# KiCad board ciaa_acc.kicad_pcb (continued)
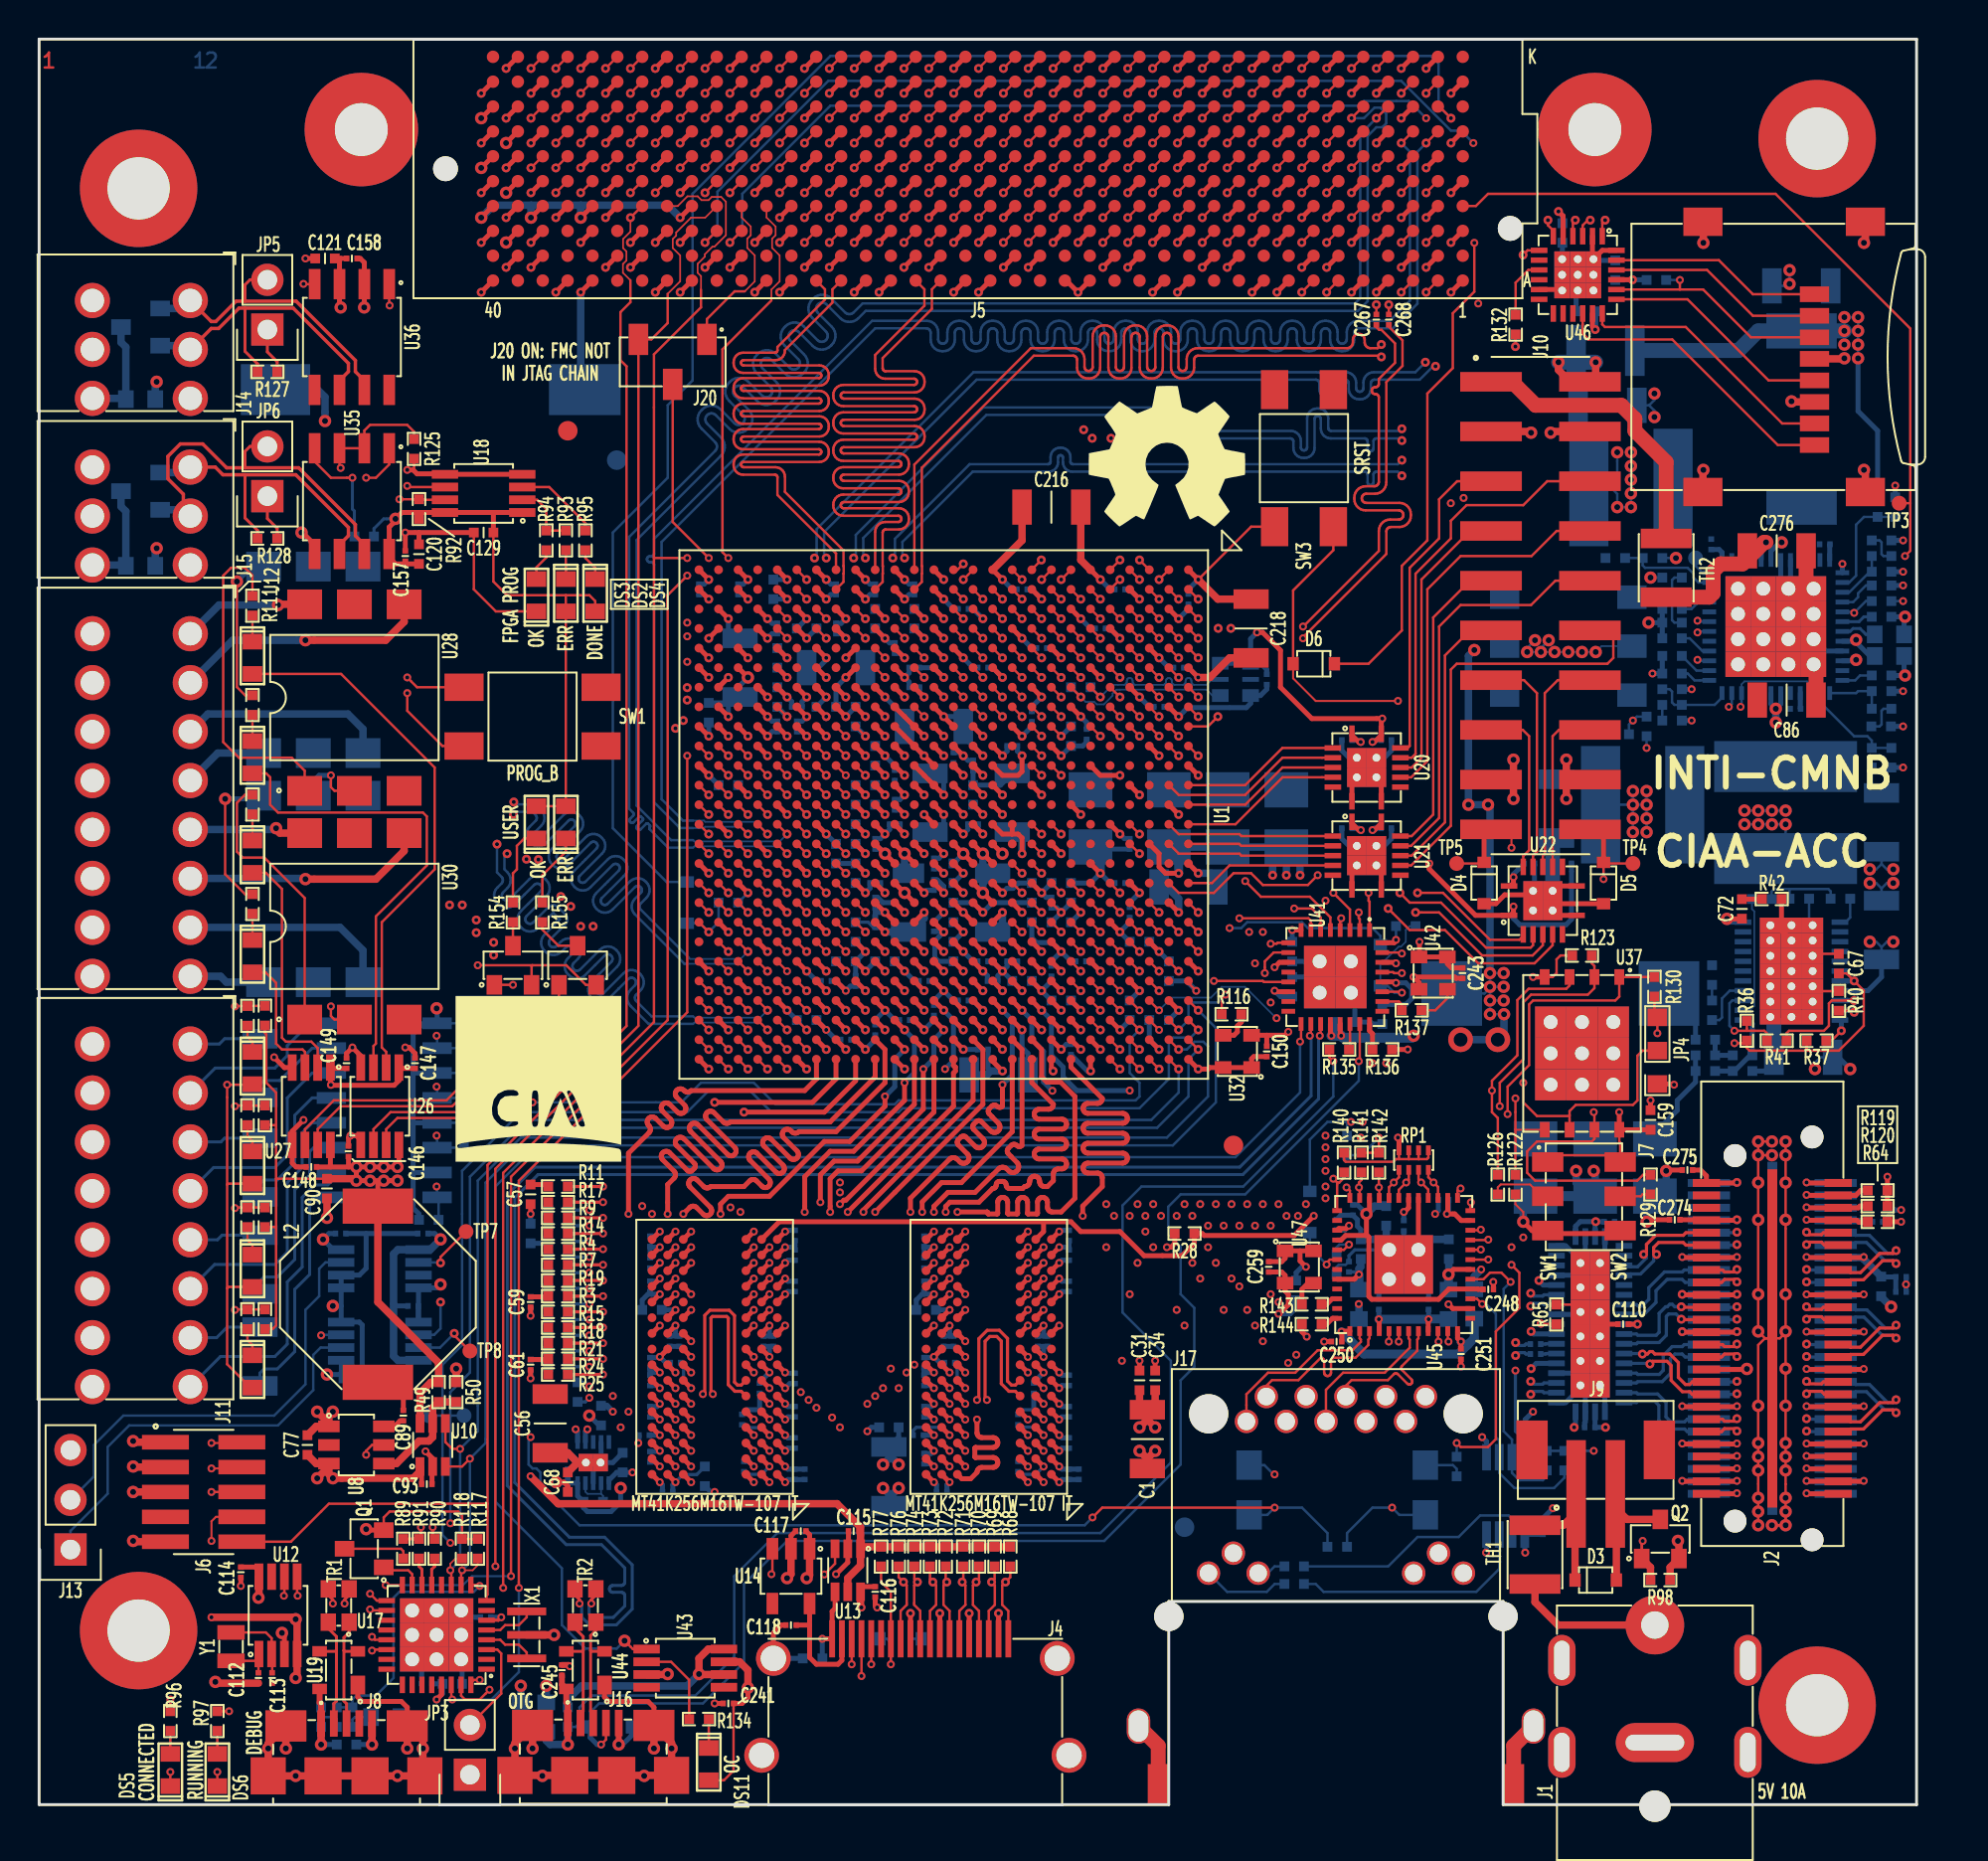
[diagram p0: board, top side]
## Routing (per net, layer and track width the routed paths; a pad name or vN(x,y) marks a point on that pad's centre or on a via; arc(x,y) is an arc through that point) (continued)
/Principal/BANK_502/DDR_A4: length 75.8
  TOP_L1.Sig w0.165: R7.2 v1(28.8,27.57)
  TOP_L1.Sig w0.254: U3.P8 v1(32.5,27.67) ; U2.P8 v1(46.5,27.67) ; U1.M20 v2(48.2,43.57)
  L3.Sig w0.165: 32.5,27.27 30.99,27.27 30.95,27.27 30.92,27.25 30.88,27.23 30.86,27.21 30.84,27.17 30.82,27.14 30.82,27.06 30.8,27.03 30.78,26.99 30.76,26.97 30.72,26.95 30.69,26.94 30.65,26.93 30.64,26.93 30.6,26.94 30.57,26.95 30.53,26.97 30.51,26.99 30.49,27.03 30.47,27.06 30.47,27.14 30.45,27.17 30.43,27.21 30.41,27.23 30.37,27.25 30.34,27.27 30.3,27.27 29.9,27.27 29.6,27.57 v1(28.8,27.57) ; 32.5,27.27 47,27.27 ; 32.5,27.27 v1(32.5,27.67) ; 47,27.27 46.5,27.27 v1(46.5,27.67) ; 47,27.27 54.1,27.27 54.14,27.28 54.19,27.29 54.22,27.31 54.26,27.35 54.28,27.38 54.29,27.43 54.3,27.47 54.3,27.56 54.31,27.61 54.32,27.65 54.34,27.69 54.38,27.72 54.41,27.74 54.46,27.76 54.5,27.76 54.54,27.76 54.59,27.74 54.62,27.72 54.66,27.69 54.68,27.65 54.69,27.61 54.7,27.56 54.7,26.98 54.71,26.93 54.72,26.89 54.74,26.85 54.78,26.82 54.81,26.8 54.86,26.78 54.9,26.78 54.94,26.78 54.99,26.8 55.02,26.82 55.06,26.85 55.08,26.89 55.09,26.93 55.1,26.98 55.1,27.56 55.11,27.61 55.12,27.65 55.14,27.69 55.18,27.72 55.21,27.74 55.26,27.76 55.3,27.76 55.34,27.76 55.39,27.74 55.42,27.72 55.46,27.69 55.48,27.65 55.49,27.61 55.5,27.56 55.5,27.47 55.51,27.43 55.52,27.38 55.54,27.35 55.58,27.31 55.61,27.29 55.66,27.28 55.7,27.27 v1(56.1,27.67) ; v1(56.1,30.67) 56.1,33.48 55.91,33.67 55.47,33.67 55.44,33.67 55.4,33.65 55.37,33.63 55.34,33.61 55.32,33.58 55.31,33.54 55.31,33.5 55.31,33.34 55.3,33.3 55.29,33.26 55.27,33.23 55.24,33.21 55.21,33.19 55.18,33.17 55.14,33.17 55.1,33.17 55.07,33.19 55.04,33.21 55.01,33.23 54.99,33.26 54.98,33.3 54.98,33.34 54.98,34 54.97,34.04 54.96,34.08 54.94,34.11 54.91,34.13 54.88,34.15 54.85,34.17 54.81,34.17 54.77,34.17 54.74,34.15 54.71,34.13 54.68,34.11 54.66,34.08 54.65,34.04 54.65,34 54.65,33.84 54.64,33.8 54.63,33.76 54.61,33.73 54.58,33.71 54.55,33.69 54.52,33.67 54.48,33.67 54.44,33.67 54.41,33.69 54.38,33.71 54.35,33.73 54.33,33.76 54.32,33.8 54.32,33.84 54.32,34 54.31,34.04 54.3,34.08 54.28,34.11 54.25,34.13 54.22,34.15 54.19,34.17 54.15,34.17 54.11,34.17 54.08,34.15 54.05,34.13 54.02,34.11 54,34.08 53.99,34.04 53.99,34 53.99,33.84 53.98,33.8 53.97,33.76 53.95,33.73 53.92,33.71 53.89,33.69 53.86,33.67 53.82,33.67 53.78,33.67 53.75,33.69 53.72,33.71 53.69,33.73 53.67,33.76 53.66,33.8 53.66,33.84 53.66,34 53.65,34.04 53.64,34.08 53.62,34.11 53.59,34.13 53.56,34.15 53.53,34.17 53.49,34.17 53.45,34.17 53.42,34.15 53.39,34.13 53.36,34.11 53.34,34.08 53.33,34.04 53.33,34 53.33,33.84 53.32,33.8 53.31,33.76 53.29,33.73 53.26,33.71 53.23,33.69 53.2,33.67 53.16,33.67 53.12,33.67 53.09,33.69 53.06,33.71 53.03,33.73 53.01,33.76 53,33.8 53,33.84 53,34 52.99,34.04 52.98,34.08 52.96,34.11 52.93,34.13 52.9,34.15 52.87,34.17 52.83,34.17 52.79,34.17 52.76,34.15 52.73,34.13 52.7,34.11 52.68,34.08 52.67,34.04 52.67,34 52.67,33.84 52.66,33.8 52.65,33.76 52.63,33.73 52.6,33.71 52.57,33.69 52.54,33.67 52.5,33.67 52.4,33.57 51.5,33.57 51.47,33.57 51.43,33.59 51.4,33.61 51.37,33.63 51.35,33.66 51.34,33.7 51.34,33.74 51.34,34 51.33,34.04 51.32,34.08 51.3,34.11 51.27,34.13 51.24,34.15 51.21,34.17 51.17,34.17 51.14,34.17 51.1,34.15 51.07,34.13 51.04,34.11 51.02,34.08 51.01,34.04 51.01,34 51.01,33.74 51,33.7 50.99,33.66 50.97,33.63 50.94,33.61 50.91,33.59 50.88,33.57 50.84,33.57 50.8,33.57 50.77,33.59 50.74,33.61 50.71,33.63 50.69,33.66 50.68,33.7 50.68,33.74 50.68,34 50.67,34.04 50.66,34.08 50.64,34.11 50.61,34.13 50.58,34.15 50.55,34.17 50.51,34.17 50.47,34.17 50.44,34.15 50.41,34.13 50.38,34.11 50.36,34.08 50.35,34.04 50.35,34 50.35,33.74 50.34,33.7 50.33,33.66 50.31,33.63 50.28,33.61 50.25,33.59 50.22,33.57 50.18,33.57 50.14,33.57 50.11,33.59 50.08,33.61 50.05,33.63 50.03,33.66 50.02,33.7 50.02,33.74 50.02,34 50.01,34.04 50,34.08 49.98,34.11 49.95,34.13 49.92,34.15 49.89,34.17 49.85,34.17 49.81,34.17 49.78,34.15 49.75,34.13 49.72,34.11 49.7,34.08 49.69,34.04 49.69,34 49.69,33.74 49.68,33.7 49.67,33.66 49.65,33.63 49.62,33.61 49.59,33.59 49.56,33.57 49.52,33.57 49.48,33.57 49.45,33.59 49.42,33.61 49.39,33.63 49.37,33.66 49.36,33.7 49.36,33.74 49.36,34 49.35,34.04 49.34,34.08 49.32,34.11 49.29,34.13 49.26,34.15 49.23,34.17 49.19,34.17 49.15,34.17 49.12,34.15 49.09,34.13 49.06,34.11 49.04,34.08 49.03,34.04 49.03,34 49.03,33.74 49.02,33.7 49.01,33.66 48.99,33.63 48.96,33.61 48.93,33.59 48.9,33.57 48.86,33.57 48.82,33.57 48.79,33.59 48.76,33.61 48.73,33.63 48.71,33.66 48.7,33.7 48.7,33.74 48.7,34.05 48.69,34.09 48.68,34.13 48.66,34.16 48.63,34.18 48.6,34.2 48.57,34.22 48.53,34.22 48.49,34.22 48.46,34.2 48.43,34.18 48.4,34.16 48.38,34.13 48.37,34.09 48.37,34.05 48.37,33.74 48.36,33.7 48.35,33.66 48.33,33.63 48.3,33.61 48.27,33.59 48.24,33.57 48.2,33.57 47.7,34.07 47.7,34.51 47.7,34.55 47.72,34.58 47.74,34.62 47.76,34.64 47.79,34.66 47.83,34.67 47.87,34.68 48.23,34.68 48.27,34.68 48.31,34.69 48.34,34.71 48.36,34.74 48.38,34.77 48.4,34.81 48.4,34.84 48.4,34.88 48.38,34.91 48.36,34.95 48.34,34.97 48.31,34.99 48.27,35 48.23,35.01 47.87,35.01 47.83,35.01 47.79,35.02 47.76,35.04 47.74,35.07 47.72,35.1 47.7,35.14 47.7,35.17 47.7,35.21 47.72,35.24 47.74,35.28 47.76,35.3 47.79,35.32 47.83,35.33 47.87,35.34 48.23,35.34 48.27,35.34 48.31,35.35 48.34,35.37 48.36,35.4 48.38,35.43 48.4,35.47 48.4,35.5 48.4,35.54 48.38,35.57 48.36,35.61 48.34,35.63 48.31,35.65 48.27,35.66 48.23,35.67 47.87,35.67 47.83,35.67 47.79,35.68 47.76,35.7 47.74,35.73 47.72,35.76 47.7,35.8 47.7,35.83 47.7,35.87 47.72,35.9 47.74,35.94 47.76,35.96 47.79,35.98 47.83,35.99 47.87,36 48.23,36 48.27,36 48.31,36.01 48.34,36.03 48.36,36.06 48.38,36.09 48.4,36.13 48.4,36.16 48.4,36.2 48.38,36.23 48.36,36.27 48.34,36.29 48.31,36.31 48.27,36.32 48.23,36.33 47.87,36.33 47.83,36.33 47.79,36.34 47.76,36.36 47.74,36.39 47.72,36.42 47.7,36.46 47.7,36.49 47.7,36.53 47.72,36.57 47.74,36.6 47.76,36.62 47.79,36.64 47.83,36.65 47.87,36.66 48.23,36.66 48.27,36.66 48.31,36.67 48.34,36.69 48.36,36.72 48.38,36.75 48.4,36.79 48.4,36.82 48.4,36.86 48.38,36.9 48.36,36.93 48.34,36.95 48.31,36.97 48.27,36.98 48.23,36.99 47.55,36.99 47.52,36.99 47.48,37 47.46,37.02 47.43,37.05 47.41,37.07 47.4,37.11 47.4,37.14 47.4,37.17 47.4,37.2 47.41,37.23 47.43,37.26 47.46,37.29 47.48,37.3 47.52,37.32 47.58,37.32 47.62,37.33 47.64,37.35 47.67,37.38 47.69,37.4 47.7,37.44 47.7,37.51 47.72,37.54 47.74,37.57 47.76,37.6 47.79,37.62 47.83,37.63 47.87,37.63 48.23,37.63 48.27,37.64 48.31,37.65 48.34,37.67 48.36,37.7 48.38,37.73 48.4,37.76 48.4,37.8 48.4,37.84 48.38,37.87 48.36,37.9 48.34,37.93 48.31,37.95 48.27,37.96 48.23,37.96 47.6,37.96 47.58,37.97 47.56,37.97 47.54,37.99 47.52,38 47.51,38.02 47.5,38.04 47.5,38.06 47.5,38.19 47.5,38.22 47.51,38.24 47.52,38.26 47.54,38.27 47.56,38.28 47.58,38.29 47.62,38.3 47.64,38.3 47.66,38.32 47.68,38.33 47.69,38.35 47.7,38.37 47.7,38.43 47.72,38.47 47.74,38.5 47.76,38.52 47.79,38.54 47.83,38.56 47.87,38.56 48.23,38.56 48.27,38.56 48.31,38.58 48.34,38.6 48.36,38.62 48.38,38.65 48.4,38.69 48.4,38.72 48.4,38.76 48.38,38.8 48.36,38.83 48.34,38.85 48.31,38.87 48.27,38.89 48.23,38.89 47.55,38.89 47.52,38.89 47.48,38.9 47.46,38.92 47.43,38.95 47.41,38.97 47.4,39.01 47.4,39.04 47.4,39.07 47.4,39.1 47.41,39.14 47.43,39.16 47.46,39.19 47.48,39.21 47.52,39.22 47.58,39.22 47.62,39.23 47.64,39.25 47.67,39.28 47.69,39.3 47.7,39.34 47.7,39.37 47.7,43.07 v2(48.2,43.57)
  L10.Sig w0.165: v1(56.1,30.67) v1(56.1,27.67)
/Principal/BANK_502/DDR_A5: length 80.2
  TOP_L1.Sig w0.254: U3.P2 v1(37.3,27.67) ; U2.P2 v1(51.3,27.67) ; U1.N22 v2(47.2,41.57)
  L8.Sig w0.165: 51.8,27.27 37.4,27.27 ; 51.8,27.27 59.7,27.27 v1(60.1,27.67) ; 51.8,27.27 51.3,27.27 v1(51.3,27.67) ; 37.4,27.27 37.3,27.27 v1(37.3,27.67) ; 37.4,27.27 29.9,27.27 29.8,27.17 v1(28.1,27.17) ; v1(60.1,30.67) 60.1,34.17 59.8,34.47 56.9,34.47 56.86,34.48 56.81,34.49 56.78,34.51 56.74,34.55 56.72,34.58 56.71,34.63 56.7,34.67 56.7,34.77 56.69,34.81 56.68,34.86 56.66,34.89 56.62,34.93 56.59,34.95 56.54,34.96 56.5,34.97 56.46,34.96 56.41,34.95 56.38,34.93 56.34,34.89 56.32,34.86 56.31,34.81 56.3,34.77 56.3,34.17 56.29,34.13 56.28,34.08 56.26,34.05 56.22,34.01 56.19,33.99 56.14,33.98 56.1,33.97 56.06,33.98 56.01,33.99 55.98,34.01 55.94,34.05 55.92,34.08 55.91,34.13 55.9,34.17 55.9,34.77 55.89,34.81 55.88,34.86 55.86,34.89 55.82,34.93 55.79,34.95 55.74,34.96 55.7,34.97 55.66,34.96 55.61,34.95 55.58,34.93 55.54,34.89 55.52,34.86 55.51,34.81 55.5,34.77 55.5,34.42 55.5,34.41 55.5,34.4 55.49,34.39 55.48,34.38 55.47,34.37 55.46,34.37 55.45,34.37 55.15,34.37 55.14,34.37 55.13,34.37 55.12,34.38 55.11,34.39 55.1,34.4 55.1,34.41 55.1,34.42 55.1,34.77 55.09,34.81 55.08,34.86 55.06,34.89 55.02,34.93 54.99,34.95 54.94,34.96 54.9,34.97 54.86,34.96 54.81,34.95 54.78,34.93 54.74,34.89 54.72,34.86 54.71,34.81 54.7,34.77 54.7,34.35 54.7,34.32 54.69,34.29 54.67,34.27 54.65,34.25 54.63,34.23 54.6,34.22 54.58,34.22 54.42,34.22 54.4,34.22 54.37,34.23 54.35,34.25 54.33,34.27 54.31,34.29 54.3,34.32 54.3,34.35 54.3,34.77 54.29,34.81 54.28,34.86 54.26,34.89 54.22,34.93 54.19,34.95 54.14,34.96 54.1,34.97 54.06,34.96 54.01,34.95 53.98,34.93 53.94,34.89 53.92,34.86 53.91,34.81 53.9,34.77 53.9,34.17 53.89,34.13 53.88,34.08 53.86,34.05 53.82,34.01 53.79,33.99 53.74,33.98 53.7,33.97 53.66,33.98 53.61,33.99 53.58,34.01 53.54,34.05 53.52,34.08 53.51,34.13 53.5,34.17 53.5,34.77 53.49,34.81 53.48,34.86 53.46,34.89 53.42,34.93 53.39,34.95 53.34,34.96 53.3,34.97 53.26,34.96 53.21,34.95 53.18,34.93 53.14,34.89 53.12,34.86 53.11,34.81 53.1,34.77 53.1,34.17 53.09,34.13 53.08,34.08 53.06,34.05 53.02,34.01 52.99,33.99 52.94,33.98 52.9,33.97 52.86,33.98 52.81,33.99 52.78,34.01 52.74,34.05 52.72,34.08 52.71,34.13 52.7,34.17 52.7,34.77 52.69,34.81 52.68,34.86 52.66,34.89 52.62,34.93 52.59,34.95 52.54,34.96 52.5,34.97 52.46,34.96 52.41,34.95 52.38,34.93 52.34,34.89 52.32,34.86 52.31,34.81 52.3,34.77 52.3,34.07 52.29,34.03 52.28,33.98 52.26,33.95 52.22,33.91 52.19,33.89 52.14,33.88 52.1,33.87 52.06,33.88 52.01,33.89 51.98,33.91 51.94,33.95 51.92,33.98 51.91,34.03 51.9,34.07 51.9,34.77 51.89,34.81 51.88,34.86 51.86,34.89 51.82,34.93 51.79,34.95 51.74,34.96 51.7,34.97 51.66,34.96 51.61,34.95 51.58,34.93 51.54,34.89 51.52,34.86 51.51,34.81 51.5,34.77 51.5,34.67 51.49,34.63 51.48,34.58 51.46,34.55 51.42,34.51 51.39,34.49 51.34,34.48 51.3,34.47 51.26,34.48 51.21,34.49 51.18,34.51 51.14,34.55 51.12,34.58 51.11,34.63 51.1,34.67 51.1,34.77 51.09,34.81 51.08,34.86 51.06,34.89 51.02,34.93 50.99,34.95 50.94,34.96 50.9,34.97 50.86,34.96 50.81,34.95 50.78,34.93 50.74,34.89 50.72,34.86 50.71,34.81 50.7,34.77 50.7,34.67 50.69,34.63 50.68,34.58 50.66,34.55 50.62,34.51 50.59,34.49 50.54,34.48 50.5,34.47 50.46,34.48 50.41,34.49 50.38,34.51 50.34,34.55 50.32,34.58 50.31,34.63 50.3,34.67 50.3,34.77 50.29,34.81 50.28,34.86 50.26,34.89 50.22,34.93 50.19,34.95 50.14,34.96 50.1,34.97 50.06,34.96 50.01,34.95 49.98,34.93 49.94,34.89 49.92,34.86 49.91,34.81 49.9,34.77 49.9,34.67 49.89,34.63 49.88,34.58 49.86,34.55 49.82,34.51 49.79,34.49 49.74,34.48 49.7,34.47 49.66,34.48 49.61,34.49 49.58,34.51 49.54,34.55 49.52,34.58 49.51,34.63 49.5,34.67 49.5,34.77 49.49,34.81 49.48,34.86 49.46,34.89 49.42,34.93 49.39,34.95 49.34,34.96 49.3,34.97 49.26,34.96 49.21,34.95 49.18,34.93 49.14,34.89 49.12,34.86 49.11,34.81 49.1,34.77 49.1,34.67 49.09,34.63 49.08,34.58 49.06,34.55 49.02,34.51 48.99,34.49 48.94,34.48 48.9,34.47 48.86,34.48 48.81,34.49 48.78,34.51 48.74,34.55 48.72,34.58 48.71,34.63 48.7,34.67 48.7,35.17 48.69,35.21 48.68,35.26 48.66,35.29 48.62,35.33 48.59,35.35 48.54,35.36 48.5,35.37 48.46,35.36 48.41,35.35 48.38,35.33 48.34,35.29 48.32,35.26 48.31,35.21 48.3,35.17 48.3,34.67 48.29,34.63 48.28,34.58 48.26,34.55 48.22,34.51 48.19,34.49 48.14,34.48 48.1,34.47 47.7,34.87 47.7,35.8 47.71,35.84 47.72,35.88 47.74,35.92 47.78,35.95 47.81,35.98 47.86,35.99 47.9,36 48.2,36 48.24,36 48.29,36.01 48.32,36.04 48.36,36.07 48.38,36.11 48.39,36.15 48.4,36.2 48.39,36.24 48.38,36.28 48.36,36.32 48.32,36.35 48.29,36.38 48.24,36.39 48.2,36.39 47.9,36.39 47.86,36.4 47.81,36.41 47.78,36.44 47.74,36.47 47.72,36.51 47.71,36.55 47.7,36.59 47.71,36.64 47.72,36.68 47.74,36.72 47.78,36.75 47.81,36.78 47.86,36.79 47.9,36.8 48.2,36.8 48.24,36.8 48.29,36.81 48.32,36.84 48.36,36.87 48.38,36.91 48.39,36.95 48.4,37 48.39,37.04 48.38,37.08 48.36,37.12 48.32,37.15 48.29,37.18 48.24,37.19 48.2,37.2 47.9,37.2 47.86,37.2 47.81,37.21 47.78,37.24 47.74,37.27 47.72,37.31 47.71,37.35 47.7,37.39 47.71,37.44 47.72,37.48 47.74,37.52 47.78,37.55 47.81,37.58 47.86,37.59 47.9,37.59 48.2,37.59 48.24,37.6 48.29,37.61 48.32,37.64 48.36,37.67 48.38,37.71 48.39,37.75 48.4,37.8 48.39,37.84 48.38,37.88 48.36,37.92 48.32,37.95 48.29,37.98 48.24,37.99 48.2,38 47.9,38 47.86,38 47.81,38.01 47.78,38.04 47.74,38.07 47.72,38.11 47.71,38.15 47.7,38.2 47.71,38.24 47.72,38.28 47.74,38.32 47.78,38.35 47.81,38.38 47.86,38.39 47.9,38.39 48.2,38.39 48.24,38.4 48.29,38.41 48.32,38.44 48.36,38.47 48.38,38.51 48.39,38.55 48.4,38.59 48.39,38.64 48.38,38.68 48.36,38.72 48.32,38.75 48.29,38.78 48.24,38.79 48.2,38.8 47.7,38.8 47.7,38.8 47.63,38.8 47.61,38.8 47.59,38.8 47.58,38.81 47.57,38.82 47.56,38.84 47.55,38.85 47.55,38.87 47.55,39.12 47.55,39.14 47.56,39.15 47.57,39.17 47.58,39.18 47.59,39.19 47.61,39.19 47.64,39.2 47.66,39.2 47.67,39.21 47.68,39.22 47.69,39.24 47.7,39.25 47.7,39.27 47.7,41.07 v2(47.2,41.57)
  L10.Sig w0.165: v1(60.1,30.67) v1(60.1,27.67)
  BOT_L12.Sig w0.165: R8.2 v1(28.1,27.17)
/Principal/BANK_502/DDR_A6: length 75.8
  TOP_L1.Sig w0.165: R9.2 v1(28.8,29.97)
  TOP_L1.Sig w0.254: U3.R8 v1(32.5,28.47) ; U1.L20 v2(49.2,43.57) ; U2.R8 v1(46.5,28.47)
  L3.Sig w0.165: v2(49.2,43.57) 48.7,43.07 48.7,36.77 48.7,36.76 48.7,36.75 48.71,36.74 48.72,36.73 48.73,36.72 48.74,36.72 48.76,36.72 48.77,36.72 48.78,36.71 48.79,36.7 48.8,36.69 48.8,36.68 48.8,36.67 48.8,36.42 48.8,36.41 48.8,36.4 48.79,36.39 48.78,36.38 48.77,36.37 48.76,36.37 48.74,36.37 48.73,36.37 48.72,36.36 48.71,36.35 48.7,36.34 48.7,36.33 48.7,36.32 48.7,36.07 48.7,36.03 48.72,35.99 48.74,35.96 48.77,35.93 48.8,35.91 48.84,35.9 48.88,35.89 49.22,35.89 49.26,35.89 49.3,35.88 49.33,35.86 49.36,35.83 49.38,35.8 49.4,35.76 49.4,35.72 49.4,35.68 49.38,35.64 49.36,35.61 49.33,35.58 49.3,35.56 49.26,35.55 49.22,35.55 48.88,35.55 48.84,35.54 48.8,35.53 48.77,35.51 48.74,35.48 48.72,35.45 48.7,35.41 48.7,35.37 48.7,34.87 49.1,34.47 49.14,34.47 49.18,34.49 49.21,34.51 49.24,34.54 49.26,34.57 49.27,34.61 49.28,34.64 49.28,34.84 49.28,34.88 49.29,34.92 49.31,34.95 49.34,34.98 49.37,35 49.41,35.02 49.45,35.02 49.49,35.02 49.53,35 49.56,34.98 49.59,34.95 49.61,34.92 49.62,34.88 49.62,34.84 49.62,34.64 49.63,34.61 49.64,34.57 49.66,34.54 49.69,34.51 49.72,34.49 49.76,34.47 49.8,34.47 49.84,34.47 49.88,34.49 49.91,34.51 49.94,34.54 49.96,34.57 49.97,34.61 49.97,34.64 49.97,34.8 49.98,34.83 49.99,34.87 50.01,34.9 50.04,34.93 50.07,34.95 50.11,34.97 50.15,34.97 50.19,34.97 50.23,34.95 50.26,34.93 50.29,34.9 50.31,34.87 50.32,34.83 50.33,34.8 50.33,34.64 50.33,34.61 50.34,34.57 50.36,34.54 50.39,34.51 50.42,34.49 50.46,34.47 50.5,34.47 50.54,34.47 50.58,34.49 50.61,34.51 50.64,34.54 50.66,34.57 50.67,34.61 50.67,34.64 50.67,34.8 50.68,34.83 50.69,34.87 50.71,34.9 50.74,34.93 50.77,34.95 50.81,34.97 50.85,34.97 50.89,34.97 50.93,34.95 50.96,34.93 50.99,34.9 51.01,34.87 51.02,34.83 51.03,34.8 51.03,34.64 51.03,34.61 51.04,34.57 51.06,34.54 51.09,34.51 51.12,34.49 51.16,34.47 51.2,34.47 51.24,34.47 51.28,34.49 51.31,34.51 51.34,34.54 51.36,34.57 51.37,34.61 51.38,34.64 51.38,34.8 51.38,34.83 51.39,34.87 51.41,34.9 51.44,34.93 51.47,34.95 51.51,34.97 51.55,34.97 51.59,34.97 51.63,34.95 51.66,34.93 51.69,34.9 51.71,34.87 51.72,34.83 51.72,34.8 51.72,34.05 51.73,34.01 51.74,33.97 51.76,33.94 51.79,33.91 51.82,33.89 51.86,33.87 51.9,33.87 51.94,33.87 51.98,33.89 52.01,33.91 52.04,33.94 52.06,33.97 52.07,34.01 52.08,34.05 52.08,34.8 52.08,34.83 52.09,34.87 52.11,34.9 52.14,34.93 52.17,34.95 52.21,34.97 52.25,34.97 52.29,34.97 52.33,34.95 52.36,34.93 52.39,34.9 52.41,34.87 52.42,34.83 52.42,34.8 52.42,34.64 52.43,34.61 52.44,34.57 52.46,34.54 52.49,34.51 52.52,34.49 52.56,34.47 52.6,34.47 52.64,34.47 52.68,34.49 52.71,34.51 52.74,34.54 52.76,34.57 52.77,34.61 52.78,34.64 52.78,34.8 52.78,34.83 52.79,34.87 52.81,34.9 52.84,34.93 52.87,34.95 52.91,34.97 52.95,34.97 52.99,34.97 53.03,34.95 53.06,34.93 53.09,34.9 53.11,34.87 53.12,34.83 53.12,34.8 53.12,34.64 53.13,34.61 53.14,34.57 53.16,34.54 53.19,34.51 53.22,34.49 53.26,34.47 53.3,34.47 53.34,34.47 53.38,34.49 53.41,34.51 53.44,34.54 53.46,34.57 53.47,34.61 53.47,34.64 53.47,34.8 53.48,34.83 53.49,34.87 53.51,34.9 53.54,34.93 53.57,34.95 53.61,34.97 53.65,34.97 53.69,34.97 53.73,34.95 53.76,34.93 53.79,34.9 53.81,34.87 53.82,34.83 53.83,34.8 53.83,34.64 53.83,34.61 53.84,34.57 53.86,34.54 53.89,34.51 53.92,34.49 53.96,34.47 54,34.47 54.04,34.47 54.08,34.49 54.11,34.51 54.14,34.54 54.16,34.57 54.17,34.61 54.17,34.64 54.17,34.8 54.18,34.83 54.19,34.87 54.21,34.9 54.24,34.93 54.27,34.95 54.31,34.97 54.35,34.97 54.39,34.97 54.43,34.95 54.46,34.93 54.49,34.9 54.51,34.87 54.52,34.83 54.53,34.8 54.53,34.64 54.53,34.61 54.54,34.57 54.56,34.54 54.59,34.51 54.62,34.49 54.66,34.47 54.7,34.47 54.74,34.47 54.78,34.49 54.81,34.51 54.84,34.54 54.86,34.57 54.87,34.61 54.88,34.64 54.88,34.8 54.88,34.83 54.89,34.87 54.91,34.9 54.94,34.93 54.97,34.95 55.01,34.97 55.05,34.97 55.09,34.97 55.13,34.95 55.16,34.93 55.19,34.9 55.21,34.87 55.22,34.83 55.22,34.8 55.22,34.2 55.23,34.16 55.24,34.12 55.26,34.09 55.29,34.06 55.32,34.04 55.36,34.02 55.4,34.02 55.44,34.02 55.48,34.04 55.51,34.06 55.54,34.09 55.56,34.12 55.57,34.16 55.58,34.2 55.58,34.3 55.58,34.33 55.59,34.37 55.61,34.4 55.64,34.43 55.67,34.45 55.71,34.47 55.75,34.47 56.3,34.47 56.5,34.27 56.5,34.23 56.48,34.2 56.46,34.17 56.44,34.14 56.41,34.12 56.37,34.11 56.29,34.1 56.26,34.09 56.23,34.07 56.2,34.04 56.18,34.01 56.17,33.97 56.16,33.93 56.16,33.92 56.17,33.88 56.18,33.85 56.2,33.82 56.23,33.79 56.26,33.77 56.29,33.76 56.33,33.75 56.5,33.75 56.5,33.75 58.71,33.75 58.75,33.74 58.79,33.73 58.82,33.71 58.85,33.68 58.87,33.65 58.88,33.61 58.89,33.57 58.88,33.53 58.87,33.49 58.85,33.46 58.82,33.43 58.79,33.41 58.75,33.4 58.71,33.39 56.45,33.39 56.44,33.39 56.43,33.39 56.42,33.38 56.41,33.38 56.4,33.37 56.4,33.36 56.4,33.34 56.4,33.09 56.4,33.08 56.4,33.07 56.41,33.06 56.42,33.06 56.43,33.05 56.44,33.05 56.45,33.05 58.71,33.05 58.75,33.04 58.79,33.03 58.82,33.01 58.85,32.98 58.87,32.95 58.88,32.91 58.89,32.87 58.88,32.83 58.87,32.79 58.85,32.76 58.82,32.73 58.79,32.71 58.75,32.7 58.71,32.7 56.45,32.7 56.44,32.69 56.43,32.69 56.42,32.68 56.41,32.68 56.4,32.67 56.4,32.66 56.4,32.64 56.4,32.39 56.4,32.38 56.4,32.37 56.41,32.36 56.42,32.36 56.43,32.35 56.44,32.35 56.45,32.34 56.96,32.34 57,32.34 57.04,32.33 57.07,32.31 57.1,32.28 57.12,32.25 57.13,32.21 57.14,32.17 57.13,32.13 57.12,32.09 57.1,32.06 57.07,32.03 57.04,32.01 57,32 56.96,32 56.67,32 56.64,31.99 56.6,31.98 56.57,31.96 56.54,31.93 56.52,31.9 56.5,31.86 56.5,31.82 v1(56.5,30.07)
  L5.Sig w0.165: v1(28.8,29.97) 29.9,28.87 32.5,28.87 ; v1(56.5,29.27) 56.1,28.87 47,28.87 ; 47,28.87 32.5,28.87 ; 47,28.87 46.5,28.87 v1(46.5,28.47) ; 32.5,28.87 v1(32.5,28.47)
  L10.Sig w0.165: v1(56.5,29.27) v1(56.5,30.07)
/Principal/BANK_502/DDR_A7: length 80.3
  TOP_L1.Sig w0.254: U3.R2 v1(37.3,28.47) ; U1.J21 v2(51.2,42.57) ; U2.R2 v1(51.3,28.47)
  L5.Sig w0.165: v2(51.2,42.57) 50.7,42.07 50.7,36.67 51.3,36.07 61.8,36.07 61.9,35.97 61.93,35.93 61.95,35.89 61.96,35.85 61.96,35.81 61.95,35.76 61.93,35.72 61.9,35.69 61.49,35.28 61.47,35.25 61.45,35.21 61.44,35.16 61.44,35.12 61.45,35.07 61.47,35.03 61.49,35 61.53,34.97 61.57,34.95 61.61,34.94 61.66,34.94 61.7,34.95 61.74,34.97 61.78,35 62.87,36.09 62.91,36.12 62.95,36.14 62.99,36.15 63.03,36.15 63.08,36.14 63.12,36.12 63.15,36.09 63.18,36.06 63.2,36.02 63.21,35.97 63.21,35.93 63.2,35.89 63.18,35.84 63.15,35.81 62.06,34.72 62.03,34.68 62.01,34.64 62,34.6 62,34.55 62.01,34.51 62.03,34.47 62.06,34.43 62.1,34.41 62.14,34.39 62.18,34.38 62.22,34.38 62.27,34.39 62.31,34.41 62.34,34.43 63.44,35.53 63.47,35.55 63.51,35.57 63.56,35.58 63.6,35.58 63.64,35.57 63.68,35.55 63.72,35.53 63.75,35.49 63.77,35.45 63.78,35.41 63.78,35.36 63.77,35.32 63.75,35.28 63.72,35.24 62.63,34.15 62.6,34.12 62.58,34.08 62.57,34.03 62.57,33.99 62.58,33.94 62.6,33.9 62.63,33.87 62.66,33.84 62.7,33.82 62.74,33.81 62.79,33.81 62.83,33.82 62.87,33.84 62.91,33.87 64,34.96 64.04,34.99 64.08,35.01 64.12,35.02 64.17,35.02 64.21,35.01 64.25,34.99 64.29,34.96 64.31,34.93 64.33,34.89 64.34,34.84 64.34,34.8 64.33,34.75 64.31,34.71 64.29,34.68 63.19,33.58 63.16,33.55 63.14,33.51 63.13,33.47 63.13,33.42 63.14,33.38 63.16,33.34 63.19,33.3 63.23,33.27 63.27,33.25 63.31,33.24 63.36,33.24 63.4,33.25 63.44,33.27 63.47,33.3 64.43,34.25 64.46,34.28 64.5,34.3 64.55,34.31 64.59,34.31 64.63,34.3 64.67,34.28 64.71,34.25 64.74,34.22 64.76,34.18 64.77,34.14 64.77,34.09 64.76,34.05 64.74,34.01 64.71,33.97 64.45,33.71 64.42,33.67 64.4,33.63 64.39,33.59 64.39,33.54 64.4,33.5 64.42,33.46 64.45,33.42 64.7,33.17 v1(64.7,30.67)
  L8.Sig w0.165: v1(51.3,28.47) 51.3,28.87 51.7,28.87 ; 37.3,28.87 29.9,28.87 29.2,29.57 v1(28.1,29.57) ; 37.3,28.87 51.7,28.87 ; 37.3,28.87 v1(37.3,28.47) ; 51.7,28.87 64.3,28.87 64.7,29.27 v1(64.7,30.67)
  BOT_L12.Sig w0.165: R10.2 v1(28.1,29.57)
/Principal/BANK_502/DDR_A8: length 76.7
  TOP_L1.Sig w0.165: R11.2 v1(28.8,31.57)
  TOP_L1.Sig w0.254: U3.T8 v1(32.5,29.27) ; U1.T20 v2(44.2,43.57) ; U2.T8 v1(46.5,29.27)
  L3.Sig w0.165: v1(54.9,30.07) 54.9,31.07 54.7,31.27 53.12,31.27 53.09,31.27 53.05,31.29 53.02,31.31 52.99,31.34 52.97,31.37 52.95,31.41 52.95,31.45 52.95,31.58 52.95,31.62 52.93,31.66 52.91,31.69 52.88,31.72 52.85,31.74 52.81,31.75 52.78,31.76 52.74,31.75 52.7,31.74 52.67,31.72 52.64,31.69 52.62,31.66 52.6,31.62 52.6,31.58 52.6,31.13 52.6,31.09 52.59,31.06 52.57,31.04 52.55,31.01 52.52,31 52.49,30.99 52.46,30.98 52.39,30.98 52.36,30.99 52.33,31 52.3,31.01 52.28,31.04 52.26,31.06 52.25,31.09 52.25,31.13 52.25,31.58 52.25,31.62 52.23,31.66 52.21,31.69 52.18,31.72 52.15,31.74 52.11,31.75 52.08,31.76 52.04,31.75 52,31.74 51.97,31.72 51.94,31.69 51.92,31.66 51.9,31.62 51.9,31.58 51.9,31.13 51.9,31.09 51.89,31.06 51.87,31.04 51.85,31.01 51.82,31 51.79,30.99 51.76,30.98 51.69,30.98 51.66,30.99 51.63,31 51.6,31.01 51.58,31.04 51.56,31.06 51.55,31.09 51.55,31.13 51.55,31.58 51.55,31.62 51.53,31.66 51.51,31.69 51.48,31.72 51.45,31.74 51.41,31.75 51.38,31.76 51.34,31.75 51.3,31.74 51.27,31.72 51.24,31.69 51.22,31.66 51.2,31.62 51.2,31.58 51.2,31.13 51.2,31.09 51.19,31.06 51.17,31.04 51.15,31.01 51.12,31 51.09,30.99 51.06,30.98 50.99,30.98 50.96,30.99 50.93,31 50.9,31.01 50.88,31.04 50.86,31.06 50.85,31.09 50.85,31.13 50.85,31.58 50.85,31.62 50.83,31.66 50.81,31.69 50.78,31.72 50.75,31.74 50.71,31.75 50.67,31.76 50.64,31.75 50.6,31.74 50.57,31.72 50.54,31.69 50.52,31.66 50.5,31.62 50.5,31.58 50.5,31.13 50.5,31.09 50.49,31.06 50.47,31.04 50.45,31.01 50.42,31 50.39,30.99 50.36,30.98 50.29,30.98 50.26,30.99 50.23,31 50.2,31.01 50.18,31.04 50.16,31.06 50.15,31.09 50.15,31.13 50.15,31.58 50.15,31.62 50.13,31.66 50.11,31.69 50.08,31.72 50.05,31.74 50.01,31.75 49.97,31.76 49.94,31.75 49.9,31.74 49.87,31.72 49.84,31.69 49.82,31.66 49.8,31.62 49.8,31.58 49.8,31.13 49.8,31.09 49.79,31.06 49.77,31.04 49.75,31.01 49.72,31 49.69,30.99 49.66,30.98 49.59,30.98 49.56,30.99 49.53,31 49.5,31.01 49.48,31.04 49.46,31.06 49.45,31.09 49.45,31.13 49.45,31.58 49.45,31.62 49.43,31.66 49.41,31.69 49.38,31.72 49.35,31.74 49.31,31.75 49.28,31.76 49.24,31.75 49.2,31.74 49.17,31.72 49.14,31.69 49.12,31.66 49.1,31.62 49.1,31.58 49.1,31.13 49.1,31.09 49.09,31.06 49.07,31.04 49.05,31.01 49.02,31 48.99,30.99 48.96,30.98 48.89,30.98 48.86,30.99 48.83,31 48.8,31.01 48.78,31.04 48.76,31.06 48.75,31.09 48.75,31.13 48.75,31.58 48.75,31.62 48.73,31.66 48.71,31.69 48.68,31.72 48.65,31.74 48.61,31.75 48.58,31.76 48.54,31.75 48.5,31.74 48.47,31.72 48.44,31.69 48.42,31.66 48.4,31.62 48.4,31.58 48.4,31.13 48.4,31.09 48.39,31.06 48.37,31.04 48.35,31.01 48.32,31 48.29,30.99 48.26,30.98 48.19,30.98 48.16,30.99 48.13,31 48.1,31.01 48.08,31.04 48.06,31.06 48.05,31.09 48.05,31.13 48.05,31.58 48.05,31.62 48.03,31.66 48.01,31.69 47.98,31.72 47.95,31.74 47.91,31.75 47.88,31.76 47.84,31.75 47.8,31.74 47.77,31.72 47.74,31.69 47.72,31.66 47.7,31.62 47.7,31.58 47.7,31.13 47.7,31.09 47.69,31.06 47.67,31.04 47.65,31.01 47.62,31 47.59,30.99 47.56,30.98 47.49,30.98 47.46,30.99 47.43,31 47.4,31.01 47.38,31.04 47.36,31.06 47.35,31.09 47.35,31.13 47.35,31.58 47.35,31.62 47.33,31.66 47.31,31.69 47.28,31.72 47.25,31.74 47.21,31.75 47.17,31.76 47.14,31.75 47.1,31.74 47.07,31.72 47.04,31.69 47.02,31.66 47,31.62 47,31.58 47,31.13 47,31.09 46.99,31.06 46.97,31.04 46.95,31.01 46.92,31 46.89,30.99 46.86,30.98 46.79,30.98 46.76,30.99 46.73,31 46.7,31.01 46.68,31.04 46.66,31.06 46.65,31.09 46.65,31.13 46.65,31.58 46.65,31.62 46.63,31.66 46.61,31.69 46.58,31.72 46.55,31.74 46.51,31.75 46.47,31.76 46.44,31.75 46.4,31.74 46.37,31.72 46.34,31.69 46.32,31.66 46.3,31.62 46.3,31.58 46.3,31.13 46.3,31.09 46.29,31.06 46.27,31.04 46.25,31.01 46.22,31 46.19,30.99 46.16,30.98 46.09,30.98 46.06,30.99 46.03,31 46,31.01 45.98,31.04 45.96,31.06 45.95,31.09 45.95,31.13 45.95,31.73 45.95,31.77 45.93,31.81 45.91,31.84 45.88,31.87 45.85,31.89 45.81,31.9 45.78,31.91 45.74,31.9 45.7,31.89 45.67,31.87 45.64,31.84 45.62,31.81 45.6,31.77 45.6,31.73 45.6,31.27 45.59,31.27 45.59,31.13 45.59,31.09 45.58,31.06 45.56,31.04 45.54,31.01 45.51,31 45.48,30.99 45.45,30.98 45.39,30.98 45.35,30.99 45.32,31 45.3,31.01 45.27,31.04 45.26,31.06 45.25,31.09 45.24,31.16 45.23,31.19 45.21,31.22 45.19,31.24 45.16,31.26 45.13,31.27 45.1,31.27 44.7,31.67 44.7,32.17 44.7,32.21 44.72,32.25 44.74,32.28 44.77,32.31 44.8,32.33 44.84,32.34 44.88,32.34 45.21,32.34 45.25,32.35 45.29,32.36 45.32,32.38 45.35,32.41 45.37,32.44 45.38,32.48 45.39,32.52 45.38,32.56 45.37,32.6 45.35,32.63 45.32,32.66 45.29,32.68 45.25,32.69 45.21,32.7 44.88,32.7 44.84,32.7 44.8,32.71 44.77,32.73 44.74,32.76 44.72,32.79 44.7,32.83 44.7,32.87 44.7,32.91 44.72,32.95 44.74,32.98 44.77,33.01 44.8,33.03 44.84,33.04 44.88,33.05 45.21,33.05 45.25,33.05 45.29,33.06 45.32,33.08 45.35,33.11 45.37,33.14 45.38,33.18 45.39,33.22 45.38,33.26 45.37,33.3 45.35,33.33 45.32,33.36 45.29,33.38 45.25,33.39 45.21,33.39 44.88,33.39 44.84,33.4 44.8,33.41 44.77,33.43 44.74,33.46 44.72,33.49 44.7,33.53 44.7,33.57 44.7,33.61 44.72,33.65 44.74,33.68 44.77,33.71 44.8,33.73 44.84,33.74 44.88,33.75 45.21,33.75 45.25,33.75 45.29,33.76 45.32,33.78 45.35,33.81 45.37,33.84 45.38,33.88 45.39,33.92 45.38,33.96 45.37,34 45.35,34.03 45.32,34.06 45.29,34.08 45.25,34.09 45.21,34.09 44.88,34.09 44.84,34.1 44.8,34.11 44.77,34.13 44.74,34.16 44.72,34.19 44.7,34.23 44.7,34.27 44.7,34.31 44.72,34.35 44.74,34.38 44.77,34.41 44.8,34.43 44.84,34.44 44.88,34.45 45.21,34.45 45.25,34.45 45.29,34.46 45.32,34.48 45.35,34.51 45.37,34.54 45.38,34.58 45.39,34.62 45.38,34.66 45.37,34.7 45.35,34.73 45.32,34.76 45.29,34.78 45.25,34.79 45.21,34.8 44.88,34.8 44.84,34.8 44.8,34.81 44.77,34.83 44.74,34.86 44.72,34.89 44.7,34.93 44.7,34.97 44.7,35.01 44.72,35.05 44.74,35.08 44.77,35.11 44.8,35.13 44.84,35.14 44.88,35.14 45.21,35.14 45.25,35.15 45.29,35.16 45.32,35.18 45.35,35.21 45.37,35.24 45.38,35.28 45.39,35.32 45.38,35.36 45.37,35.4 45.35,35.43 45.32,35.46 45.29,35.48 45.25,35.49 45.21,35.5 44.88,35.5 44.84,35.5 44.8,35.51 44.77,35.53 44.74,35.56 44.72,35.59 44.7,35.63 44.7,35.67 44.7,35.71 44.72,35.75 44.74,35.78 44.77,35.81 44.8,35.83 44.84,35.84 44.88,35.84 45.21,35.84 45.25,35.85 45.29,35.86 45.32,35.88 45.35,35.91 45.37,35.94 45.38,35.98 45.39,36.02 45.38,36.06 45.37,36.1 45.35,36.13 45.32,36.16 45.29,36.18 45.25,36.19 45.21,36.2 44.88,36.2 44.84,36.2 44.8,36.21 44.77,36.23 44.74,36.26 44.72,36.29 44.7,36.33 44.7,36.37 44.7,43.07 v2(44.2,43.57)